# Altium PCB 4in1_ESC.PcbDoc (part 3 of 3)
Units mm, origin at the board's own origin, x right, y up, seen from the top; angles counter-clockwise.
Board outline 33 x 33 mm, 6 copper layers (Top Layer, VBAT, Layer 3, Layer 4, GND, Bottom Layer), stack 0.816 mm thick; 185 components, 151 nets, 787 pads, 340 vias.
Unrouted connection lines stored in the file: 1.
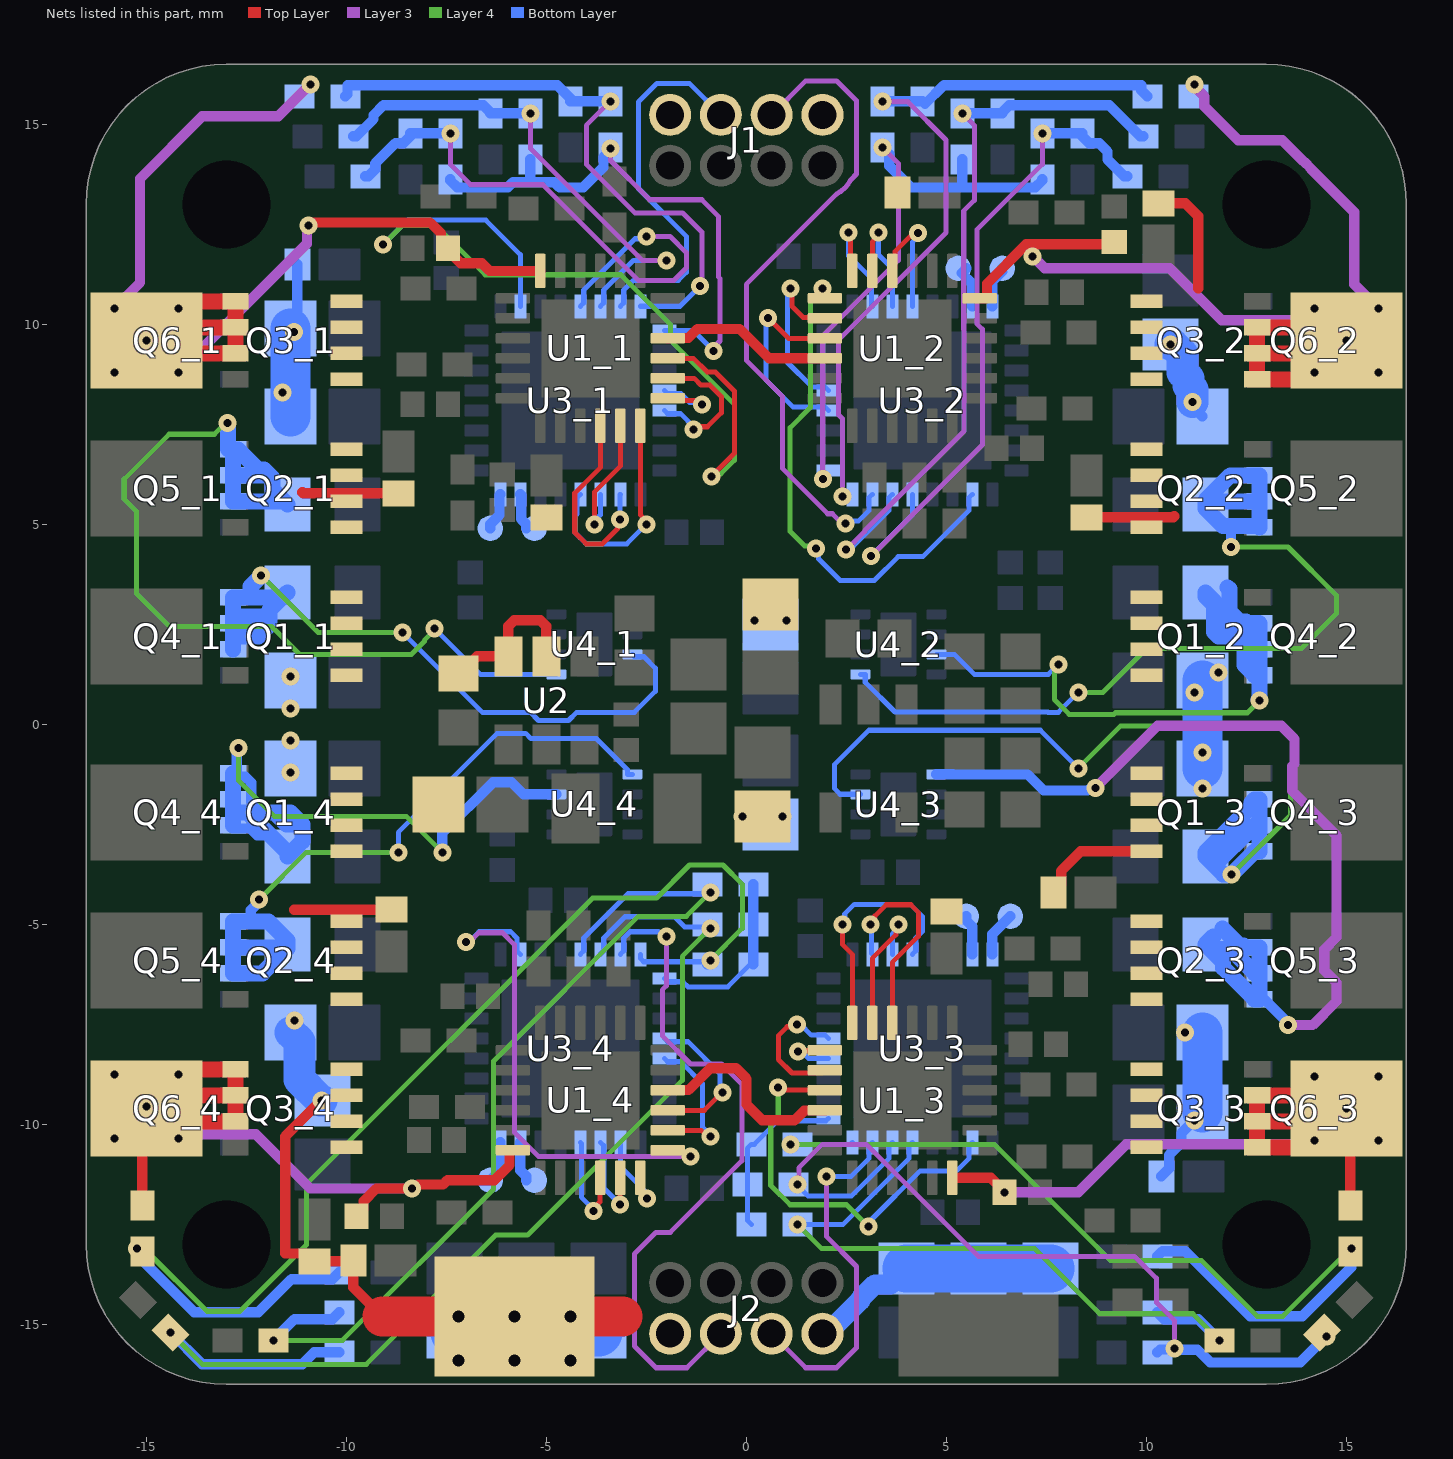
[diagram p7: the nets of this part, all layers, seen from the top]

## Via types
v1: diameter 0.45, hole 0.2, Top Layer to Bottom Layer, tented both sides, 328 vias
v2: diameter 0.6, hole 0.3, Top Layer to Bottom Layer, tented both sides, 12 vias

## Nets (pads, with @x,y where several pads share a name; then routed paths per layer and width w, separated by ;. In a path a pad name is that pad's centre, name@x,y a point inside that pad or via, vN(x,y) a via of type N, cw(c..) or ccw(c..) an arc to the next point about the centre after c; other vN are vias at no path point) (continued)
OUT_W1: C1_1.2 pad.3@-15,9.6 Q3_1.1 Q3_1.2 Q3_1.3 Q6_1.5 Q6_1.6 Q6_1.7 Q6_1.8 R9_1.2 U1_1.12 | length 28.5
  Top Layer w0.254: v1(-10.948,12.475) -10.895,12.475 -10.823,12.547 -7.905,12.547 -7.633,12.275 -7.633,12.073 C1_1.2@-7.439,11.879 ; C1_1.2@-7.46,11.9 -7.287,11.727 -7.287,11.676 -7.138,11.527 -6.615,11.527 -6.423,11.335 U1_1.12@-5.15,11.335
  Top Layer w0.4: pad.3@-14.675,9.925 v1(-14.2,10.4) -14.025,10.575 Q3_1.1@-12.77,10.575 Q3_1.2@-12.77,9.925 ; pad.3@-14.675,9.925 v1(-15,9.6) -14.675,9.275 Q3_1.3@-12.77,9.275 Q3_1.2@-12.77,9.925 ; pad.3@-14.675,9.925 Q3_1.2@-12.77,9.925
  Layer 3 w0.254: v1(-15.8,10.4) -15.154,11.046 -15.154,13.646 -13.6,15.2 -11.7,15.2 v1(-10.9,16) ; v1(-14.2,8.8) -10.986,12.015 -10.986,12.437 v1(-10.948,12.475)
  other v1: -15.8,8.8
OUT_W2: C3_2.2 pad.3@15,9.6 Q3_2.1 Q3_2.2 Q3_2.3 Q6_2.5 Q6_2.6 Q6_2.7 Q6_2.8 R9_2.2 U1_2.18 | length 28.7
  Top Layer w0.254: U1_2.18@5.835,10.65 6.009,10.65 6.017,10.658 6.017,11.017 7,12 ; v1(7.16,11.7) 7.16,11.753 7,11.913 7,12 ; C3_2.2@9.2,12.06 9.14,12 7,12
  Top Layer w0.4: Q3_2.2@12.77,9.275 pad.3@14.675,9.275 ; Q3_2.2@12.77,9.275 Q3_2.1@12.77,8.625 14.675,8.625 15,8.95 pad.3@14.675,9.275 ; Q3_2.2@12.77,9.275 Q3_2.3@12.77,9.925 14.025,9.925 pad.3@14.675,9.275
  Layer 3 w0.254: v1(7.16,11.7) 7.46,11.4 10.587,11.4 11.887,10.1 13.9,10.1 v1(14.2,10.4) ; v1(11.2,16) 11.2,15.947 11.448,15.699 11.448,15.452 12.3,14.6 13.4,14.6 13.865,14.135 cw(c13,13) 14.135,13.865 15.2,12.8 15.2,11 v1(15.8,10.4)
  other v1: 14.2,8.8 15.8,8.8 15,9.6
OUT_W3: C1_3.2 pad.3@15,-9.6 Q3_3.1 Q3_3.2 Q3_3.3 Q6_3.5 Q6_3.6 Q6_3.7 Q6_3.8 R9_3.2 U1_3.12 | length 20.6
  Top Layer w0.254: U1_3.12@5.15,-11.335 6.115,-11.335 6.46,-11.68 v1(6.46,-11.7) ; v1(15,-9.6) 15.1,-9.7 15.1,-10.25 R9_3.2@15.1,-12.025
  Top Layer w0.4: Q3_3.2@12.77,-9.925 pad.3@14.675,-9.925 ; Q3_3.2@12.77,-9.925 Q3_3.3@12.77,-9.275 14.025,-9.275 pad.3@14.675,-9.925 ; Q3_3.2@12.77,-9.925 Q3_3.1@12.77,-10.575 14.2,-10.575 14.675,-10.575 15,-10.25 pad.3@14.675,-9.925
  Layer 3 w0.254: v1(6.46,-11.7) 8.3,-11.7 9.5,-10.5 13.978,-10.5 14.178,-10.3 v1@14.2,-10.3
  Bottom Layer w0.254: v1(15,-9.6) 15,-9.639 v1@15.1,-9.74
  other v1: 14.2,-10.4 15.8,-10.4 14.2,-8.8 15.8,-8.8
OUT_W4: C3_4.2 pad.3@-15,-9.6 Q3_4.1 Q3_4.2 Q3_4.3 Q6_4.5 Q6_4.6 Q6_4.7 Q6_4.8 R9_4.2 U1_4.18 | length 22.3
  Top Layer w0.254: pad.3@-15.8,-10.25 pad.3@-15.6,-10.45 ; R9_4.2@-15.1,-12.025 -15.1,-9.65 v1(-15,-9.55) ; C3_4.2@-9.74,-12.3 -9.567,-12.127 -9.567,-11.925 -9.249,-11.606 -8.448,-11.606 v1@-8.425,-11.63 ; v1(-8.357,-11.606) -8.304,-11.606 -8.206,-11.508 -7.581,-11.508 -7.472,-11.4 -6.3,-11.4 -5.917,-11.017 -5.917,-10.658 -5.909,-10.65 U1_4.18@-5.835,-10.65
  Top Layer w0.4: pad.3@-14.675,-9.275 -14.175,-8.775 -14.025,-8.625 Q3_4.1@-12.77,-8.625 Q3_4.2@-12.77,-9.275 ; pad.3@-14.675,-9.275 -14.975,-9.575 pad.3@-15,-9.6 -14.675,-9.925 Q3_4.3@-12.77,-9.925 Q3_4.2@-12.77,-9.275 ; pad.3@-14.675,-9.275 Q3_4.2@-12.77,-9.275
  Layer 3 w0.254: v1@-14.2,-10.25 -12.261,-10.25 -10.905,-11.606 v1(-8.357,-11.606)
  other v1: -15.8,-10.35 -14.2,-10.35 -15.8,-8.75 -14.2,-8.75
PWM_1N1: U1_1.1 U3_1.12 | length 2
  Top Layer w0.127: U1_1.1@-1.965,8.15 -1.909,8.094 -1.303,8.094 -1.199,7.99 v1(-1.112,7.99)
  Bottom Layer w0.127: U3_1.12@-2.05,8.35 -1.964,8.263 -1.635,8.263 -1.415,8.044 -1.165,8.044 v1(-1.112,7.99)
PWM_1N2: U1_2.3 U3_2.12 | length 5.1
  Top Layer w0.127: v1(0.544,10.163) 1.057,9.65 U1_2.3@1.965,9.65
  Bottom Layer w0.127: v1(0.544,10.163) 0.488,10.107 0.488,8.612 1.164,7.936 1.963,7.936 U3_2.12@2.05,7.85
PWM_1N3: U1_3.1 U3_3.12 | length 1.5
  Top Layer w0.127: v1(1.293,-8.174) 1.306,-8.162 1.953,-8.162 U1_3.1@1.965,-8.15
  Bottom Layer w0.127: v1(1.293,-8.174) 1.381,-8.174 1.556,-8.35 U3_3.12@2.05,-8.35
PWM_1N4: U1_4.3 U3_4.12 | length 3.8
  Top Layer w0.127: U1_4.3@-1.965,-9.65 -1.05,-9.65 v1(-0.6,-9.2)
  Bottom Layer w0.127: U3_4.12@-2.05,-7.85 -1.963,-7.936 -1.454,-7.936 -0.662,-8.729 -0.662,-9.138 v1(-0.6,-9.2)
PWM_1P1: U1_1.22 U3_1.18 | length 5.2
  Top Layer w0.127: U1_1.22@-3.65,7.465 -3.65,6.416 -4.289,5.778 -4.289,4.798 -4.002,4.511 -3.598,4.511 -3.223,4.886 -3.223,5.057 v1(-3.161,5.119)
  Bottom Layer w0.127: v1(-3.161,5.119) -3.155,5.124 -3.155,5.745 U3_1.18@-3.15,5.75
PWM_1P2: U1_2.24 U3_2.18 | length 3.1
  Top Layer w0.127: v1(2.56,12.3) 2.605,12.255 2.605,11.38 U1_2.24@2.65,11.335
  Bottom Layer w0.127: v1(2.56,12.3) 2.56,11.714 3.134,11.139 3.134,10.466 U3_2.18@3.15,10.45
PWM_1P3: U1_3.22 U3_3.18 | length 5.3
  Top Layer w0.127: v1(3.1,-5) 3.1,-4.913 3.211,-4.801 3.211,-4.798 3.498,-4.511 4.112,-4.511 4.3,-4.7 4.3,-5.3 3.65,-5.95 U1_3.22@3.65,-7.465
  Bottom Layer w0.127: v1(3.1,-5) 3.125,-5.025 3.125,-5.725 U3_3.18@3.15,-5.75
PWM_1P4: U1_4.24 U3_4.18 | length 2.1
  Top Layer w0.127: U1_4.24@-2.65,-11.528 -2.65,-11.63 -2.479,-11.801 v1(-2.479,-11.861)
  Bottom Layer w0.127: U3_4.18@-3.15,-10.45 -3.15,-11.05 -2.541,-11.659 -2.541,-11.799 v1(-2.479,-11.861)
PWM_2N1: U1_1.2 U3_1.13 | length 3.8
  Top Layer w0.127: U1_1.2@-1.965,8.65 -1.303,8.65 -1.132,8.479 -0.909,8.479 -0.623,8.192 -0.623,7.788 -0.973,7.438 -1.263,7.438 v1(-1.325,7.376)
  Bottom Layer w0.127: U3_1.13@-2.05,7.85 -1.964,7.763 -1.641,7.763 -1.325,7.448 v1(-1.325,7.376)
PWM_2N2: U1_2.2 U3_2.13 | length 4.6
  Top Layer w0.127: v1(1.1,10.9) 1.146,10.854 1.146,10.446 1.423,10.169 1.946,10.169 U1_2.2@1.965,10.15
  Bottom Layer w0.127: v1(1.1,10.9) 1.1,10.813 1.032,10.745 1.032,9.045 1.641,8.436 1.963,8.436 U3_2.13@2.05,8.35
PWM_2N3: U1_3.2 U3_3.13 | length 3.4
  Top Layer w0.127: v1(1.272,-7.5) 1.21,-7.562 1.024,-7.562 0.8,-7.785 0.8,-8.378 1.141,-8.72 1.895,-8.72 U1_3.2@1.965,-8.65
  Bottom Layer w0.127: v1(1.272,-7.5) 1.354,-7.5 1.626,-7.771 1.971,-7.771 U3_3.13@2.05,-7.85
PWM_2N4: U1_4.2 U3_4.13 | length 3.7
  Top Layer w0.127: U1_4.2@-1.965,-10.15 -1.124,-10.15 -0.974,-10.3 v1(-0.9,-10.3)
  Bottom Layer w0.127: U3_4.13@-2.05,-8.35 -1.963,-8.436 -1.641,-8.436 -1.1,-8.977 -1.1,-10.064 -0.9,-10.264 v1(-0.9,-10.3)
PWM_2P1: U1_1.23 U3_1.19 | length 3.5
  Top Layer w0.127: v1(-3.8,5) -3.8,5.804 -3.15,6.454 U1_1.23@-3.15,7.465
  Bottom Layer w0.127: v1(-3.8,5) -3.8,5.087 -3.65,5.237 U3_1.19@-3.65,5.75
PWM_2P2: U1_2.23 U3_2.19 | length 3
  Top Layer w0.127: U1_2.23@3.15,11.335 3.15,12.063 3.3,12.213 v1(3.3,12.3)
  Bottom Layer w0.127: v1(3.3,12.3) 3.299,12.299 3.299,11.746 3.65,11.395 U3_2.19@3.65,10.45
PWM_2P3: U1_3.23 U3_3.19 | length 3.5
  Top Layer w0.127: U1_3.23@3.15,-7.465 3.15,-5.85 3.738,-5.262 3.738,-5.062 v1(3.8,-5)
  Bottom Layer w0.127: U3_3.19@3.65,-5.75 3.65,-5.237 3.8,-5.087 v1(3.8,-5)
PWM_2P4: U1_4.23 U3_4.19 | length 2.4
  Top Layer w0.127: v1(-3.158,-12) -3.154,-11.996 -3.154,-11.339 U1_4.23@-3.15,-11.335
  Bottom Layer w0.127: U3_4.19@-3.65,-10.45 -3.564,-10.536 -3.564,-10.761 -3.563,-11.594 v1(-3.158,-12)
PWM_3N1: U1_1.3 U3_1.2 | length 22.9
  Top Layer w0.127: U1_1.3@-1.965,9.15 -1.324,9.15 -0.979,8.806 -0.774,8.806 -0.296,8.328 -0.296,6.775 v1(-0.871,6.2)
  Layer 4 w0.127: v1(-9.078,11.995) -8.596,12.477 -7.768,12.477 -6.529,11.238 -3.138,11.238 -1.9,10 -1.9,9.6 -0.3,8 -0.3,6.6 -0.638,6.262 -0.809,6.262 v1(-0.871,6.2)
  Bottom Layer w0.127: v1(-9.078,11.995) -8.47,12.603 -6.513,12.603 -5.65,11.741 U3_1.2@-5.65,10.45
PWM_3N2: U1_2.1 U3_2.2 | length 12.9
  Top Layer w0.127: v1(1.9,10.9) 1.9,10.715 U1_2.1@1.965,10.65
  Layer 4 w0.127: v1(1.743,4.394) 1.681,4.456 1.462,4.456 1.096,4.822 1.096,7.415 1.6,7.919 1.6,10.6 v1(1.9,10.9)
  Bottom Layer w0.127: v1(1.743,4.394) 1.805,4.332 1.805,4.14 2.345,3.6 3.207,3.6 3.797,4.19 4.413,4.19 5.563,5.341 5.563,5.663 U3_2.2@5.65,5.75
PWM_3N3: U1_3.3 U3_3.2 | length 10.4
  Top Layer w0.127: v1(0.799,-9.083) 0.86,-9.144 1.959,-9.144 U1_3.3@1.965,-9.15
  Layer 4 w0.127: v1(0.799,-9.083) 0.799,-9.843 0.611,-10.03 0.611,-11.527 1.096,-12.011 2.504,-12.011 v1(3.053,-12.561)
  Bottom Layer w0.127: v1@3,-12.508 v1(3.053,-12.561) 3.115,-12.499 3.115,-12.395 4.347,-11.162 5.26,-11.162 5.563,-10.859 5.563,-10.536 U3_3.2@5.65,-10.45
PWM_3N4: U1_4.1 U3_4.2 | length 13.3
  Top Layer w0.127: U1_4.1@-1.965,-10.65 -1.894,-10.721 -1.552,-10.721 -1.474,-10.8 v1(-1.4,-10.8)
  Layer 3 w0.127: v1(-7.008,-5.445) -6.92,-5.445 -6.686,-5.211 -6.098,-5.211 -5.8,-5.509 -5.8,-10.2 -5.2,-10.8 v1(-1.4,-10.8)
  Bottom Layer w0.127: v1(-7.008,-5.445) -6.938,-5.445 -6.679,-5.186 -5.891,-5.186 -5.736,-5.341 -5.736,-5.663 U3_4.2@-5.65,-5.75
PWM_3P1: U1_1.24 U3_1.20 | length 5.6
  Top Layer w0.127: U1_1.24@-2.65,7.465 -2.65,5.237 -2.5,5.087 v1(-2.5,5)
  Bottom Layer w0.127: U3_1.20@-4.15,5.75 -4.231,5.669 -4.231,5.259 -4.288,5.202 -4.288,4.798 -4.002,4.512 -2.988,4.512 v1(-2.5,5)
PWM_3P2: U1_2.22 U3_2.20 | length 3.2
  Top Layer w0.127: U1_2.22@3.65,11.335 3.722,11.406 3.722,11.824 4.121,12.223 4.233,12.223 v1(4.294,12.285)
  Bottom Layer w0.127: U3_2.20@4.15,10.45 4.15,12.053 4.294,12.198 v1(4.294,12.285)
PWM_3P3: U1_3.24 U3_3.20 | length 6.1
  Top Layer w0.127: v1(2.4,-5) 2.4,-5.5 2.65,-5.75 U1_3.24@2.65,-7.465
  Bottom Layer w0.127: v1(2.4,-5) 2.462,-4.938 2.462,-4.738 2.7,-4.5 4.1,-4.5 4.4,-4.8 4.4,-5.177 4.236,-5.341 4.236,-5.664 U3_3.20@4.15,-5.75
PWM_3P4: U1_4.22 U3_4.20 | length 2.8
  Top Layer w0.127: v1(-3.815,-12.168) -3.815,-12.098 -3.663,-11.945 -3.663,-11.347 U1_4.22@-3.65,-11.335
  Bottom Layer w0.127: U3_4.20@-4.15,-10.45 -4.125,-10.475 -4.125,-11.821 -3.815,-12.131 v1(-3.815,-12.168)
RPM1: J1.4 U3_1.7 | length 9.5
  Bottom Layer w0.127: U3_1.7@-3.15,10.45 -3.064,10.536 -3.064,10.859 -2.823,11.1 -1.7,11.1 -1.5,11.3 -1.5,12.2 -2.693,13.393 -2.693,15.562 -2.232,16.023 -1.423,16.023 J1.4@-0.635,15.235
RPM2: J1.6 U3_2.7 | length 16.7
  Layer 3 w0.127: J1.6@0.635,15.235 1.487,16.087 2.258,16.087 2.757,15.588 2.757,13.757 2.608,13.608 cw(c1.905,13.965) 2.262,13.262 0,11 0,9.1 0.9,8.2 0.9,6.4 2.036,5.264 2.149,5.264 2.388,5.026 v1(2.475,5.026)
  Bottom Layer w0.127: v1(2.475,5.026) 2.537,5.088 2.81,5.088 3.063,5.341 3.063,5.663 U3_2.7@3.15,5.75
RPM3: J2.4 U3_3.7 | length 9
  Layer 3 w0.127: J2.4@0.635,-15.235 1.487,-16.087 2.258,-16.087 2.757,-15.588 2.757,-13.557 2,-12.8 v1(2,-11.3)
  Bottom Layer w0.127: v1(2,-11.3) 2.623,-11.3 3.063,-10.859 3.063,-10.536 U3_3.7@3.15,-10.45
RPM4: J2.6 U3_4.7 | length 17.3
  Layer 3 w0.127: v1(-2,-5.3) -2,-6.538 -2.1,-6.638 -2.1,-7.789 -1.396,-8.493 -0.616,-8.493 -0.111,-8.998 -0.111,-10.911 -1.9,-12.7 -2.257,-12.7 -2.8,-13.243 -2.8,-15.545 -2.258,-16.087 -1.487,-16.087 J2.6@-0.635,-15.235
  Bottom Layer w0.127: U3_4.7@-3.15,-5.75 -3.063,-5.663 -3.063,-5.341 -2.909,-5.186 -2.201,-5.186 -2.087,-5.3 v1(-2,-5.3)
SNS_U1: R4_1.2 R5_1.1 R10_1.2 U3_1.5 | length 14.8
  Layer 3 w0.127: v1(-7.4,14.775) -7.4,14 -6.889,13.488 -5.089,13.488 -2.7,11.1 -1.809,11.1 -1.5,11.409 -1.5,11.791 -1.909,12.2 v1(-2.5,12.2)
  Bottom Layer w0.127: U3_1.5@-4.15,10.45 -4.064,10.536 -4.064,10.859 -2.784,12.138 -2.562,12.138 v1(-2.5,12.2)
  Bottom Layer w0.254: R5_1.1@-9.525,13.7 -9.45,13.7 -9.277,13.873 -9.277,14.022 ; -9.277,14.023 -8.773,14.527 -8.573,14.527 -8.4,14.7 R10_1.2@-8.4,14.775 v1(-7.4,14.775)
SNS_U2: R4_2.2 R5_2.1 R10_2.2 U3_2.5 | length 17.2
  Layer 3 w0.127: v1(3.118,4.202) 5.9,6.984 5.9,9.876 5.763,10.012 5.763,12.363 7.4,14 v1(7.4,14.775)
  Bottom Layer w0.127: v1(3.118,4.202) 4.15,5.234 U3_2.5@4.15,5.75
  Bottom Layer w0.254: v1(7.4,14.775) R10_2.2@8.4,14.775 8.4,14.7 8.573,14.527 8.823,14.527 9.027,14.323 9.027,14.123 9.45,13.7 R5_2.1@9.525,13.7
SNS_U3: R4_3.2 R5_3.1 R10_3.2 U3_3.5 | length 17.5
  Layer 4 w0.127: v1(1.275,-12.5) 1.875,-13.1 7.2,-13.1 8.836,-14.736 11.161,-14.736 v1(11.825,-15.4)
  Bottom Layer w0.127: v1(1.275,-12.5) 2.423,-12.5 4.063,-10.859 4.063,-10.536 U3_3.5@4.15,-10.45
  Bottom Layer w0.254: R10_3.2@10.275,-14.7 10.448,-14.873 11.298,-14.873 v1(11.825,-15.4)
SNS_U4: R4_4.2 R5_4.1 R10_4.2 U3_4.5 | length 23.5
  Layer 4 w0.127: v1(-11.825,-15.4) -10.1,-15.4 -6.323,-11.623 -6.323,-8.423 -2.7,-4.8 -1.5,-4.8 v1(-0.9,-4.2)
  Bottom Layer w0.127: U3_4.5@-4.15,-5.75 -4.063,-5.663 -4.063,-5.341 -2.959,-4.236 -0.937,-4.236 v1(-0.9,-4.2)
  Bottom Layer w0.254: v1(-11.825,-15.4) -11.298,-14.873 -10.348,-14.873 R10_4.2@-10.175,-14.7
SNS_V1: R6_1.2 R7_1.1 R11_1.2 U3_1.6 | length 12.7
  Layer 3 w0.127: v1(-5.4,15.275) -5.4,14.4 -2.6,11.6 v1(-2,11.6)
  Bottom Layer w0.127: U3_1.6@-3.65,10.45 -3.564,10.536 -3.564,10.859 -2.823,11.6 v1(-2,11.6)
  Bottom Layer w0.254: R7_1.1@-9.825,14.7 -9.75,14.7 -9.32,15.13 -9.32,15.23 -9.073,15.477 -6.573,15.477 -6.4,15.304 R11_1.2@-6.4,15.275 v1(-5.4,15.275)
SNS_V2: R6_2.2 R7_2.1 R11_2.2 U3_2.6 | length 19.2
  Layer 3 w0.127: v1(2.492,4.376) 2.516,4.376 2.964,4.823 2.964,4.848 5.446,7.33 5.446,9.867 5.436,9.877 5.436,12.836 5.7,13.1 5.7,14.975 v1(5.4,15.275)
  Bottom Layer w0.127: v1(2.492,4.376) 2.554,4.438 2.66,4.438 3.564,5.341 3.564,5.663 U3_2.6@3.65,5.75
  Bottom Layer w0.254: v1(5.4,15.275) R11_2.2@6.4,15.275 6.4,15.304 6.573,15.477 9.073,15.477 9.85,14.7 R7_2.1@9.925,14.7
SNS_V3: R6_3.2 R7_3.1 R11_3.2 U3_3.6 | length 21
  Top Layer w0.254: R7_3.1@14.393,-15.207 14.407,-15.207 v1(14.5,-15.3)
  Layer 3 w0.127: v1(1.275,-11.5) 1.313,-11.462 1.313,-11.087 1.9,-10.5 3,-10.5 5.8,-13.3 9.706,-13.3 10.251,-13.846 10.251,-14.451 10.7,-14.9 v1(10.7,-15.6)
  Bottom Layer w0.127: v1(1.275,-11.5) 1.275,-11.525 1.539,-11.789 2.634,-11.789 3.564,-10.859 3.564,-10.536 U3_3.6@3.65,-10.45
  Bottom Layer w0.254: R11_3.2@10.275,-15.7 10.347,-15.628 10.672,-15.628 v1(10.7,-15.6) 10.738,-15.638 11.282,-15.638 11.596,-15.952 13.848,-15.952 v1(14.5,-15.3)
SNS_V4: R6_4.2 R7_4.1 R11_4.2 U3_4.6 | length 28.2
  Layer 4 w0.127: v1(-14.393,-15.207) -13.6,-16 -9.5,-16 -6.273,-12.773 -5.473,-12.773 -1.6,-8.9 -1.6,-5.8 v1(-0.9,-5.1)
  Bottom Layer w0.127: U3_4.6@-3.65,-5.75 -3.564,-5.663 -3.564,-5.341 -3.034,-4.811 -1.798,-4.811 -1.546,-5.063 -1.038,-5.063 R6_4.2@-0.975,-5
  Bottom Layer w0.254: v1(-14.393,-15.207) -13.6,-16 -11.1,-16 -10.8,-15.7 R11_4.2@-10.175,-15.7
SNS_W1: R8_1.2 R9_1.1 R12_1.2 U3_1.8 | length 15.6
  Layer 3 w0.127: v1(-3.4,15.575) -4,14.975 -4,14 -2.786,12.786 -1.593,12.786 -1.11,12.303 -1.11,10.999 v1(-1.157,10.953)
  Bottom Layer w0.127: U3_1.8@-2.65,10.45 -1.658,10.451 v1(-1.157,10.953)
  Bottom Layer w0.254: R9_1.1@-10.025,15.7 -9.973,15.752 -9.973,15.977 -4.727,15.977 -4.4,15.65 R12_1.2@-4.4,15.575 v1(-3.4,15.575)
SNS_W2: R8_2.2 R9_2.1 R12_2.2 U3_2.8 | length 19
  Layer 3 w0.127: v1(2.4,5.7) 2.4,7.644 2.3,7.744 2.3,9.6 4.992,12.292 4.992,14.608 4.036,15.564 3.411,15.564 v1(3.4,15.575)
  Bottom Layer w0.254: v1(3.4,15.575) R12_2.2@4.4,15.575 ; R12_2.2@4.468,15.507 4.939,15.977 9.873,15.977 9.873,15.852 R9_2.1@10.025,15.7
SNS_W3: R8_3.2 R9_3.1 R12_3.2 U3_3.8 | length 24.6
  Layer 4 w0.127: v1(1.1,-10.5) 6.2,-10.5 9.1,-13.4 11.373,-13.4 12.773,-14.8 13.413,-14.8 15.113,-13.1 v1(15.127,-13.1)
  Bottom Layer w0.127: v1(1.1,-10.5) 2.6,-10.5 U3_3.8@2.65,-10.45
  Bottom Layer w0.254: R12_3.2@10.275,-13.3 10.402,-13.173 10.973,-13.173 12.6,-14.8 13.9,-14.8 15.127,-13.573 v1(15.127,-13.1)
SNS_W4: R8_4.2 R9_4.1 R12_4.2 U3_4.8 | length 31.9
  Layer 4 w0.127: v1(-15.227,-13.1) -15.199,-13.128 -15.03,-13.128 -13.484,-14.674 -12.656,-14.674 -11,-13.018 -11,-11.5 -3.846,-4.346 -2.246,-4.346 -1.42,-3.52 -0.58,-3.52 -0.1,-4 -0.1,-5.1 v1@-0.896,-5.896
  Bottom Layer w0.127: U3_4.8@-2.65,-5.75 -2.65,-5.85 -2.564,-5.937 -1.038,-5.937 R8_4.2@-0.975,-6
  Bottom Layer w0.254: v1(-15.227,-13.1) -15.199,-13.128 -15.199,-13.301 -13.8,-14.7 -12.2,-14.7 -11.373,-13.873 -10.348,-13.873 R12_4.2@-10.175,-13.7 ; R8_4.2@-0.975,-6 -0.9,-5.925 v1(-0.9,-5.9)
SNS_X1: R4_1.1 R6_1.1 R8_1.1 U3_1.9 | length 13.8
  Layer 3 w0.127: v1(-3.4,14.4) -3.393,14.393 -3.393,14.093 -2.413,13.113 -1.113,13.113 -0.7,12.7 -0.7,11.187 -0.655,11.142 -0.655,9.582 -0.816,9.421 v1(-0.816,9.334)
  Bottom Layer w0.127: U3_1.9@-2.05,9.85 -1.333,9.85 v1(-0.816,9.334)
  Bottom Layer w0.254: R4_1.1@-7.4,13.625 -7.4,13.596 -7.227,13.423 -5.965,13.423 -5.836,13.552 -5.4,13.552 ; R6_1.1@-5.4,14.125 -5.4,13.552 ; v1(-3.4,14.4) -3.4,14.35 -3.573,14.177 -3.573,13.927 -4.077,13.423 -4.674,13.423 -4.803,13.552 -5.4,13.552
SNS_X2: R4_2.1 R6_2.1 R8_2.1 U3_2.9 | length 14.7
  Layer 3 w0.127: v1(1.911,6.129) 1.911,9.711 3.8,11.6 3.8,14.025 v1(3.4,14.425)
  Bottom Layer w0.254: R8_2.1@3.4,14.35 v1(3.4,14.425) 3.573,14.252 3.573,13.965 4.115,13.423 5.4,13.423 ; R6_2.1@5.4,14.125 5.4,13.423 ; R4_2.1@7.4,13.625 7.4,13.596 7.227,13.423 5.4,13.423
SNS_X3: R4_3.1 R6_3.1 R8_3.1 U3_3.9 | length 4.3
  Bottom Layer w0.127: R4_3.1@0.125,-12.5 0.025,-12.4 R6_3.1@0.025,-11.5 0.025,-10.6 R8_3.1@0.125,-10.5 0.2,-10.5 0.789,-9.911 1.989,-9.911 U3_3.9@2.05,-9.85
SNS_X4: R4_4.1 R6_4.1 R8_4.1 U3_4.9 | length 4.5
  Bottom Layer w0.127: U3_4.9@-2.05,-6.35 -1.963,-6.436 -1.586,-6.436 -1.459,-6.563 -0.463,-6.563 0.1,-6 R8_4.1@0.175,-6
  Bottom Layer w0.254: R8_4.1@0.175,-6 R6_4.1@0.175,-5 R4_4.1@0.175,-4
SWCLK_1: TP2_1.1 U3_1.24 | length 1
  Bottom Layer w0.254: TP2_1.1@-6.4,4.9 -6.4,5.003 -6.173,5.23 -6.173,5.727 U3_1.24@-6.15,5.75
SWCLK_2: TP2_2.1 U3_2.24 | length 1.1
  Bottom Layer w0.254: U3_2.24@6.15,10.45 6.15,11.075 6.4,11.325 TP2_2.1@6.4,11.4
SWCLK_3: TP2_3.1 U3_3.24 | length 1.1
  Bottom Layer w0.254: U3_3.24@6.15,-5.75 6.15,-5.25 TP2_3.1@6.6,-4.8
SWCLK_4: TP2_4.1 U3_4.24 | length 1.1
  Bottom Layer w0.254: TP2_4.1@-6.4,-11.4 -6.4,-11.397 -6.15,-11.147 U3_4.24@-6.15,-10.45
SWDIO_1: TP1_1.1 U3_1.23 | length 0.9
  Bottom Layer w0.254: U3_1.23@-5.65,5.75 -5.627,5.727 -5.627,5.13 -5.5,5.003 TP1_1.1@-5.5,4.9
SWDIO_2: TP1_2.1 U3_2.23 | length 1.1
  Bottom Layer w0.254: TP1_2.1@5.5,11.4 5.381,11.281 5.65,11.012 U3_2.23@5.65,10.45
SWDIO_3: TP1_3.1 U3_3.23 | length 1
  Bottom Layer w0.254: TP1_3.1@5.5,-4.8 5.5,-4.903 5.65,-5.053 U3_3.23@5.65,-5.75
SWDIO_4: TP1_4.1 U3_4.23 | length 1
  Bottom Layer w0.254: U3_4.23@-5.65,-10.45 -5.65,-11.147 -5.5,-11.297 TP1_4.1@-5.5,-11.4
VBAT: C1.2 C2.2 C3.2 C4.2 C5.2 C11.2 C14.2 C15.1 C16.2 C17.2 C18.2 C19.2 C20.2 C21.2 C22.2 C23.2 C24.2 C25.2 C26.2 C27.2 C28.2 C29.2 C30.2 C31.2 D1_1.2 D1_2.2 D1_3.2 D1_4.2 D2_1.2 D2_2.2 D2_3.2 D2_4.2 D3_1.2 D3_2.2 D3_3.2 D3_4.2 J1.2 J1.8 J2.2 J2.8 pad.2@-5.8,-14.8 Q1_1.5 Q1_1.6 Q1_1.7 Q1_1.8 Q1_2.5 Q1_2.6 Q1_2.7 Q1_2.8 Q1_3.5 Q1_3.6 Q1_3.7 Q1_3.8 Q1_4.5 Q1_4.6 Q1_4.7 Q1_4.8 Q2_1.5 Q2_1.6 Q2_1.7 Q2_1.8 Q2_2.5 Q2_2.6 Q2_2.7 Q2_2.8 Q2_3.5 Q2_3.6 Q2_3.7 Q2_3.8 Q2_4.5 Q2_4.6 Q2_4.7 Q2_4.8 Q3_1.5 Q3_1.6 Q3_1.7 Q3_1.8 Q3_2.5 Q3_2.6 Q3_2.7 Q3_2.8 Q3_3.5 Q3_3.6 Q3_3.7 Q3_3.8 Q3_4.5 Q3_4.6 Q3_4.7 Q3_4.8 U1_1.4 U1_2.4 U1_3.4 U1_4.4 U2.2 U2.3 | length 66.8
  Top Layer w0.254: -11.527,-13.227 -10.998,-13.227 D2_4.2@-10.8,-13.425 -9.85,-13.425 D1_4.2@-9.825,-13.4 -9.825,-14.075 -9.1,-14.8 ; -11.527,-13.2 -11.527,-10.302 v1(-10.625,-9.4) ; -11.3,-4.635 D3_4.2@-8.869,-4.635 ; -11.1,5.8 -11.075,5.775 D2_1.2@-8.7,5.775 ; C15.1@-7.2,1.275 -7.15,1.275 -6.725,1.7 U2.3@-5.95,1.7 -5.95,2.451 -5.801,2.6 -5.149,2.6 -5,2.451 U2.2@-5,1.7 ; U1_4.4@-1.965,-9.15 -1.957,-9.142 -1.442,-9.142 -0.9,-8.6 -0.255,-8.6 0.009,-8.864 0.009,-9.509 0.4,-9.9 1.207,-9.9 1.449,-9.658 1.957,-9.658 U1_3.4@1.965,-9.65 ; U1_1.4@-1.965,9.65 -1.957,9.658 -1.449,9.658 -1.222,9.886 -0.168,9.886 0.568,9.15 U1_2.4@1.965,9.15 ; v1(-0.1,-2.3) C22.2@0.4,-2.3 v1(0.9,-2.3) ; v1(0.2,2.6) C1.2@0.6,3 v1(1,2.6) ; D2_3.2@7.675,-4.2 7.873,-4.002 7.873,-3.665 8.363,-3.175 Q1_3.8@10,-3.175 ; D3_2.2@8.5,5.175 10.675,5.175 10.7,5.2 ; D2_2.2@10.3,13.025 10.975,13.025 11.3,12.7 11.3,10.9
  Top Layer w1: -9.1,-14.8 v2(-7.2,-14.8) ; pad.2@-4.1,-14.8 -3.1,-14.8
  Bottom Layer w0.254: C3.2@-11.4,9.9 v1(-11.31,9.81) -11.225,9.894 D3_1.2@-11.225,11.5 ; v1(-10.625,-9.4) C31.2@-10.6,-9.4 ; v2(-7.2,-15.9) v2(-5.8,-15.9) v2(-4.4,-15.9) ; D3_3.2@10.375,-11.3 10.573,-11.102 10.573,-10.765 10.877,-10.461 10.877,-10.223 v1(11.2,-9.9) ; v1(10.967,-7.7) C27.2@11.4,-7.7 ; v1(11.15,8.052) 11.15,7.95 C2.2@11.4,7.7
  Bottom Layer w0.5: J2.2@1.905,-15.235 2.014,-15.235 2.85,-14.399 2.85,-14.364 3.214,-14 3.6,-14 C26.2@4,-13.6
  Bottom Layer w0.8: C29.2@-11.4,-7.7 -11.173,-7.927 -11.173,-8.877 -10.65,-9.4 v1(-10.625,-9.4) ; v1(10.6,9.5) 10.65,9.5 10.9,9.25 10.9,8.799 11.05,8.649 11.05,8.469 11.15,8.369 v1(11.15,8.052)
  Bottom Layer w1: C11.2@-11.4,7.7 C3.2@-11.4,9.9 ; C28.2@11.4,-9.7 C27.2@11.4,-7.7 ; C30.2@11.4,-1.1 C30.2@11.4,-0.9 ; v1(11.4,-0.7) C30.2@11.4,-0.9 ; C24.2@11.4,1.1 C30.2@11.4,-0.9
  Bottom Layer w1.2: C5.2@-7.3,-15.2 C21.2@-5.5,-15.2 C18.2@-3.7,-15.2 ; C26.2@4,-13.6 C25.2@5.8,-13.6 C23.2@7.6,-13.6
  other v1: -11.3,-7.4 11.4,-1.6 -11.4,-1.2 -11.4,-0.4 -11.4,0.4 11.2,0.8 -11.4,1.2 11.8,1.3 -11.6,8.3
  other v2: -5.8,-14.8 -4.4,-14.8
VSS_U_R1: Q4_1.1 Q4_1.2 Q4_1.3 R1_1.2 U4_1.3 | length 19.1
  Layer 4 w0.127: v1(-12.13,3.724) -10.706,2.3 v1(-8.6,2.3)
  Bottom Layer w0.127: v1(-8.6,2.3) -6.6,0.3 -5.4,0.3 -5.196,0.096 -4.443,0.096 -4.239,0.3 -2.8,0.3 -2.273,0.827 -2.273,1.402 -2.559,1.689 -2.788,1.689 U4_1.3@-2.85,1.75
  Bottom Layer w0.4: Q4_1.3@-12.83,1.875 -12.83,2.2 ; v1(-12.13,3.724) -12.13,3.71 -12.4,3.44 -12.4,3.175 ; R1_1.2@-11.475,3.3 R1_1.2@-11.6,3.175 ; -12.83,2.2 -12.2,2.2 -11.923,2.477 R1_1.2@-11.923,2.7 ; -12.83,2.2 Q4_1.2@-12.83,2.525 Q4_1.2@-12.83,2.7 ; Q4_1.2@-12.83,2.7 R1_1.2@-11.923,2.7 ; Q4_1.2@-12.83,2.7 Q4_1.1@-12.83,3.175 -12.4,3.175 ; -12.4,3.175 R1_1.2@-11.6,3.175 ; R1_1.2@-11.923,2.7 -11.923,2.852 R1_1.2@-11.6,3.175
VSS_U_R2: Q4_2.1 Q4_2.2 Q4_2.3 R1_2.2 U4_2.3 | length 18.7
  Layer 4 w0.127: v1(7.8,1.5) 7.8,1.447 7.7,1.347 7.7,0.619 8.071,0.248 9.186,0.248 9.227,0.289 12.529,0.289 v1(12.83,0.59)
  Bottom Layer w0.127: U4_2.3@4.75,1.75 5.199,1.75 5.701,1.248 7.548,1.248 v1(7.8,1.5)
  Bottom Layer w0.4: R1_2.2@12.026,3.426 12.074,3.377 12.074,2.825 ; 12.15,2.525 R1_2.2@11.85,2.825 ; v1@12.8,0.62 v1(12.83,0.59) Q4_2.1@12.83,1.225 ; 11.696,2.6 R1_2.2@11.696,2.979 ; 11.696,2.6 11.696,2.304 11.8,2.2 12.096,2.2 ; 11.696,2.6 12.096,2.2 ; R1_2.2@11.696,2.979 R1_2.2@11.85,2.825 ; R1_2.2@11.696,2.979 11.696,3.079 R1_2.2@11.475,3.3 11.475,3.2 R1_2.2@11.696,2.979 ; R1_2.2@11.85,2.825 12.074,2.825 ; 12.074,2.825 12.334,2.565 12.495,2.565 12.525,2.535 12.82,2.535 Q4_2.3@12.83,2.525 12.83,2.2 ; 12.096,2.2 12.112,2.2 ; 12.112,2.2 12.216,2.2 12.45,1.966 12.45,1.485 12.71,1.225 Q4_2.1@12.83,1.225 ; 12.112,2.2 12.83,2.2 ; Q4_2.1@12.83,1.225 Q4_2.2@12.83,1.875 12.83,2.2
VSS_U_R3: Q4_3.1 Q4_3.2 Q4_3.3 R1_3.2 U4_3.3 | length 24.9
  Layer 4 w0.127: v1(8.3,-1.1) 9.362,-0.038 13.376,-0.038 13.702,-0.364 13.702,-1.117 13.604,-1.215 13.604,-2.281 v1(12.135,-3.75)
  Bottom Layer w0.127: U4_3.3@2.85,-1.75 2.848,-1.748 2.349,-1.748 2.2,-1.599 2.2,-1.01 3.062,-0.148 7.348,-0.148 v1(8.3,-1.1)
  Bottom Layer w0.4: R1_3.2@11.699,-3.526 12.2,-3.025 12.2,-3.035 12.71,-2.525 Q4_3.2@12.83,-2.525 ; R1_3.2@11.699,-3.526 11.923,-3.75 v1(12.135,-3.75) 12.71,-3.175 Q4_3.1@12.83,-3.175 Q4_3.2@12.83,-2.525 ; R1_3.2@11.699,-3.526 R1_3.2@11.475,-3.3 R1_3.2@11.475,-3.3 11.475,-3.2 12.627,-2.048 12.627,-1.958 12.71,-1.875 Q4_3.3@12.83,-1.875 Q4_3.2@12.83,-2.525
VSS_U_R4: Q4_4.1 Q4_4.2 Q4_4.3 R1_4.2 U4_4.3 | length 20.9
  Layer 4 w0.127: v1(-12.7,-0.59) -12.7,-1.4 -11.8,-2.3 -8.5,-2.3 v1(-7.6,-3.2)
  Bottom Layer w0.254: Q4_4.3@-12.83,-2.525 -12.747,-2.608 -12.395,-2.608 -12.229,-2.773 -11.923,-2.773 -11.475,-3.221 R1_4.2@-11.475,-3.3 ; v1(-12.7,-0.59) -12.738,-0.628 -12.738,-1.142 -12.821,-1.225 Q4_4.1@-12.83,-1.225 -12.747,-1.308 -12.526,-1.308 -12.377,-1.457 -12.377,-1.935 -12.112,-2.2 -12,-2.2 ; v1(-7.6,-3.2) -7.6,-2.719 -6.329,-1.448 -5.871,-1.448 -5.569,-1.75 U4_4.3@-4.75,-1.75
  Bottom Layer w0.4: Q4_4.3@-12.83,-2.525 -12.83,-2.2 ; Q4_4.1@-12.83,-1.225 Q4_4.2@-12.83,-1.875 -12.83,-2.2 ; -12.112,-2.2 -12.475,-2.2 ; -12,-2.2 -11.756,-2.2 ; -12.83,-2.2 -12.475,-2.2 ; -12.475,-2.2 -11.475,-3.2 R1_4.2@-11.475,-3.3 -11.1,-2.925 -11.1,-2.5 ; -11.756,-2.2 -11.4,-2.2 -11.1,-2.5 ; -11.756,-2.2 -11.756,-2.244 -11.5,-2.5 -11.1,-2.5
VSS_V_R1: Q5_1.1 Q5_1.2 Q5_1.3 R18_1.2 U4_1.5 | length 24.3
  Layer 4 w0.127: v1(-12.971,7.528) -13.024,7.528 -13.3,7.252 -14.429,7.252 -15.552,6.129 -15.552,5.633 -15.248,5.329 -15.248,3.267 -14.429,2.448 -11.867,2.448 -11.167,1.748 -8.371,1.748 -8.048,2.071 -8.048,2.099 -7.8,2.347 v1(-7.8,2.4)
  Bottom Layer w0.127: v1(-7.8,2.4) -6.65,1.25 U4_1.5@-4.75,1.25
  Bottom Layer w0.4: v1(-12.971,7.528) -12.971,7.515 -12.96,7.504 -12.96,6.885 -12.95,6.875 Q5_1.1@-12.83,6.875 Q5_1.2@-12.83,6.225 ; Q5_1.1@-12.71,6.875 -12.201,6.366 -12.053,6.366 -11.85,6.162 -11.85,5.875 R18_1.2@-11.55,5.575 ; -11.913,6.225 Q5_1.2@-12.83,6.225 ; R18_1.2@-11.475,5.5 R18_1.2@-11.55,5.575 ; Q5_1.2@-12.83,6.225 Q5_1.3@-12.83,5.575 R18_1.2@-11.55,5.575
VSS_V_R2: Q5_2.1 Q5_2.2 Q5_2.3 R18_2.2 U4_2.5 | length 24.2
  Layer 4 w0.127: v1(8.3,0.8) 8.916,0.8 10.016,1.9 13.881,1.9 14.752,2.771 14.752,3.229 13.545,4.435 v1(12.12,4.435)
  Bottom Layer w0.127: U4_2.5@2.85,1.25 2.971,1.25 2.973,1.248 2.973,1.048 3.715,0.306 7.536,0.306 7.542,0.3 7.8,0.3 v1(8.3,0.8)
  Bottom Layer w0.254: v1(12.12,4.435) 12.12,4.92 12.125,4.925 Q5_2.1@12.83,4.925
  Bottom Layer w0.4: R18_2.2@11.475,5.4 11.923,4.952 12.803,4.952 Q5_2.1@12.83,4.925 Q5_2.2@12.83,5.575 ; Q5_2.2@12.83,5.575 11.55,5.575 R18_2.2@11.475,5.5 11.475,5.6 12.1,6.225 Q5_2.3@12.83,6.225 Q5_2.2@12.83,5.575
VSS_V_R3: Q5_3.1 Q5_3.2 Q5_3.3 R18_3.2 U4_3.5 | length 25.9
  Layer 3 w0.254: v1(8.725,-1.592) 10.279,-0.038 13.376,-0.038 13.702,-0.364 13.702,-0.989 13.648,-1.043 13.648,-1.667 14.752,-2.771 14.752,-5.329 14.448,-5.633 14.448,-6.148 14.752,-6.452 14.752,-6.929 14.159,-7.522 v1(13.547,-7.522)
  Bottom Layer w0.254: U4_3.5@4.75,-1.25 5.169,-1.25 5.171,-1.252 7.029,-1.252 7.429,-1.652 8.529,-1.652 8.551,-1.629 8.687,-1.629 v1(8.725,-1.592) ; Q5_3.1@12.83,-6.875 12.95,-6.875 13.547,-7.471 v1(13.547,-7.522)
  Bottom Layer w0.4: R18_3.2@11.675,-5.3 R18_3.2@11.475,-5.5 R18_3.2@11.59,-5.615 ; R18_3.2@11.9,-5.101 12.334,-5.535 12.425,-5.535 12.475,-5.585 12.82,-5.585 Q5_3.3@12.83,-5.575 Q5_3.2@12.83,-6.225 ; 12.13,-5.585 12.1,-5.615 ; R18_3.2@11.59,-5.615 11.923,-5.948 11.923,-6.088 12.71,-6.875 Q5_3.1@12.83,-6.875 Q5_3.2@12.83,-6.225 ; R18_3.2@11.59,-5.615 12.1,-5.615 ; 12.1,-5.615 12.71,-6.225 Q5_3.2@12.83,-6.225
VSS_V_R4: Q5_4.1 Q5_4.2 Q5_4.3 R18_4.2 U4_4.5 | length 18.5
  Layer 4 w0.127: v1(-12.178,-4.38) -10.998,-3.2 v1(-8.7,-3.2)
  Bottom Layer w0.127: v1(-8.7,-3.2) -8.7,-2.7 -6.226,-0.226 -5.516,-0.226 -5.384,-0.358 -3.743,-0.358 -2.973,-1.128 -2.973,-1.248 -2.971,-1.25 U4_4.5@-2.85,-1.25
  Bottom Layer w0.254: -12.39,-4.925 -12.39,-4.645 -12.178,-4.433 v1(-12.178,-4.38)
  Bottom Layer w0.4: Q5_4.2@-12.83,-5.575 -11.55,-5.575 R18_4.2@-11.475,-5.5 ; Q5_4.2@-12.83,-5.575 Q5_4.1@-12.83,-4.925 -12.39,-4.925 -11.95,-4.925 -11.475,-5.4 R18_4.2@-11.475,-5.5 ; Q5_4.2@-12.83,-5.575 Q5_4.3@-12.83,-6.225 -12.1,-6.225 -11.475,-5.6 R18_4.2@-11.475,-5.5
pads on no net: U1.4 U1_1.5 U1_1.7 U1_1.8 U1_1.21 U1_2.5 U1_2.7 U1_2.8 U1_2.21 U1_3.5 U1_3.7 U1_3.8 U1_3.21 U1_4.5 U1_4.7 U1_4.8 U1_4.21 U3_1.3 U3_1.4 U3_1.21 U3_1.22 U3_1.25 U3_1.26 U3_1.28 U3_1.29 U3_1.30 U3_2.3 U3_2.4 U3_2.21 U3_2.22 U3_2.25 U3_2.26 U3_2.28 U3_2.29 U3_2.30 U3_3.3 U3_3.4 U3_3.21 U3_3.22 U3_3.25 U3_3.26 U3_3.28 U3_3.29 U3_3.30 U3_4.3 U3_4.4 U3_4.21 U3_4.22 U3_4.25 U3_4.26 U3_4.28 U3_4.29 U3_4.30

## Polygon pours and split planes (outlines as drawn)
GND on Top Layer "NONET_L01_P021" (solid, shelved, pour order 21): -14.6,11.6 -16.5,11.6 -16.5,15.6 -15.8,15.6 -14.6,14.4
5V on Top Layer "NONET_L01_P023" (solid, shelved, pour order 23): -11.6,14.6 -11.6,16.5 -15.6,16.5 -15.6,15.8 -14.4,14.6
GND on Top Layer "NONET_L01_P029" (solid, shelved, pour order 29): 14.6,11.6 16.5,11.6 16.5,15.6 15.8,15.6 14.6,14.4
5V on Top Layer "NONET_L01_P031" (solid, shelved, pour order 31): 11.6,14.6 11.6,16.5 15.6,16.5 15.6,15.8 14.4,14.6
VBAT on Top Layer "Top VBAT" (solid, shelved, pour order 32): -16.5,16.5 -16.5,-16.5 16.5,-16.5 16.5,16.5
no net on Top Solder "NONET_L01_P026" (solid, shelved): 14.5,11.5 16.5,11.5 16.5,15.6 15.7,15.6 14.5,14.4
no net on Top Solder "NONET_L01_P026" (solid, shelved): -14.5,11.5 -16.5,11.5 -16.5,15.6 -15.7,15.6 -14.5,14.4
no net on Top Solder "NONET_L01_P026" (solid, shelved): -11.5,14.5 -11.5,16.5 -15.6,16.5 -15.6,15.7 -14.4,14.5
no net on Top Solder "NONET_L01_P026" (solid, shelved, pour order 26): 11.5,14.5 11.5,16.5 15.6,16.5 15.6,15.7 14.4,14.5
GND on GND "Layer 5 GND" (solid, shelved, pour order 25): -16.5,16.5 -16.5,-16.5 16.5,-16.5 16.5,16.5
GND on Bottom Layer "Bottom GND" (solid, shelved, pour order 0): -17.2,16.4 -17.2,-16.7 17.5,-16.7 17.5,16.4
GND on Layer 3 "Layer 3 GND" (solid, shelved, pour order 5): -17.2,16.4 -17.2,-16.7 17.5,-16.7 17.5,16.4
GND on Layer 4 "Layer 4 GND" (solid, shelved, pour order 27): -17.2,16.4 -17.2,-16.7 17.5,-16.7 17.5,16.4
VBAT on VBAT "Layer 2 VBAT" (solid, shelved, pour order 30): -16.5,16.5 -16.5,-16.5 16.5,-16.5 16.5,16.5

## Silkscreen, mask and mechanical layers (free items; w line width, h text height)
Top Overlay:
  circle w0.44: c-13,-13 r1.31
  circle w0.44: c-13,13 r1.31
  circle w0.44: c13,13 r1.31
  circle w0.44: c13,-13 r1.31
  region: 0,-3.6 -1,-5.2 1,-5.2
  region: 1,-5.2 0,-6.8 2,-6.8
  region: -1,-5.2 -2,-6.8 0,-6.8
  lines w0.254: -16.4,-0.7 -13.3,-0.7 -13.3,-11.1 -16.3,-11.1 ; -16.4,0.7 -13.3,0.7 -13.3,11.1 -16.3,11.1 -16.4,11.1 ; -13,-1 -13,-0.6 ; -8.1,-16.5 -8.1,-13 -3.5,-13 -3.5,-16.5 ; 3.5,-16.5 3.5,-13 8.1,-13 8.1,-16.5 ; 16.3,-11.1 13.3,-11.1 13.3,-0.7 16.4,-0.7 ; 16.3,11.1 13.3,11.1 13.3,0.7 16.4,0.7
  text "5V" at -11.3,15 h1
  text "5V" at 9.5,15 h1
  text "GND" at -11.3,13.6 h1
  text "GND" at 8.6,13.6 h1
  text "1" at -8.05,3.15 h1.2
  text "2" at 7.75,3.15 h1.2
  text "4" at -8.15,-4.55 h1.2
  text "3" at 7.65,-4.55 h1.2
  text "_" at 8.8,-14.967 h2
  text "+" at -9.9,-16.133 h2
Bottom Overlay:
  circle w0.44: c13,-13 r1.31
  circle w0.44: c13,13 r1.31
  circle w0.44: c-13,-13 r1.31
  circle w0.44: c-13,13 r1.31
  text "D" at 5.547,11.953 h0.7
  text "C" at 6.647,11.953 h0.7
  text "C" at -6.953,4.653 h0.7
  text "D" at -4.353,4.553 h0.7
  text "1.1" at -5.5,-0.5 h0.7
  text "ESC" at -0.8,-0.7 h0.9
  text "4 in 1" at 6.9,-0.7 h0.9
  text "D" at 5.747,-4.247 h0.7
  text "C" at 6.847,-4.247 h0.7
  text "C" at -6.153,-12.547 h0.7
  text "D" at -5.053,-12.547 h0.7
Board:
  the board outline again, w0.127